# Altium PCB PLC-无线通讯版-V3.PcbDoc
Units mm, origin at the board's own origin, x right, y up, seen from the top; angles counter-clockwise.
Board outline 115 x 76.8 mm, 2 copper layers (Top Layer, Bottom Layer), stack 1.261 mm thick; 156 components, 116 nets, 485 pads, 271 vias.
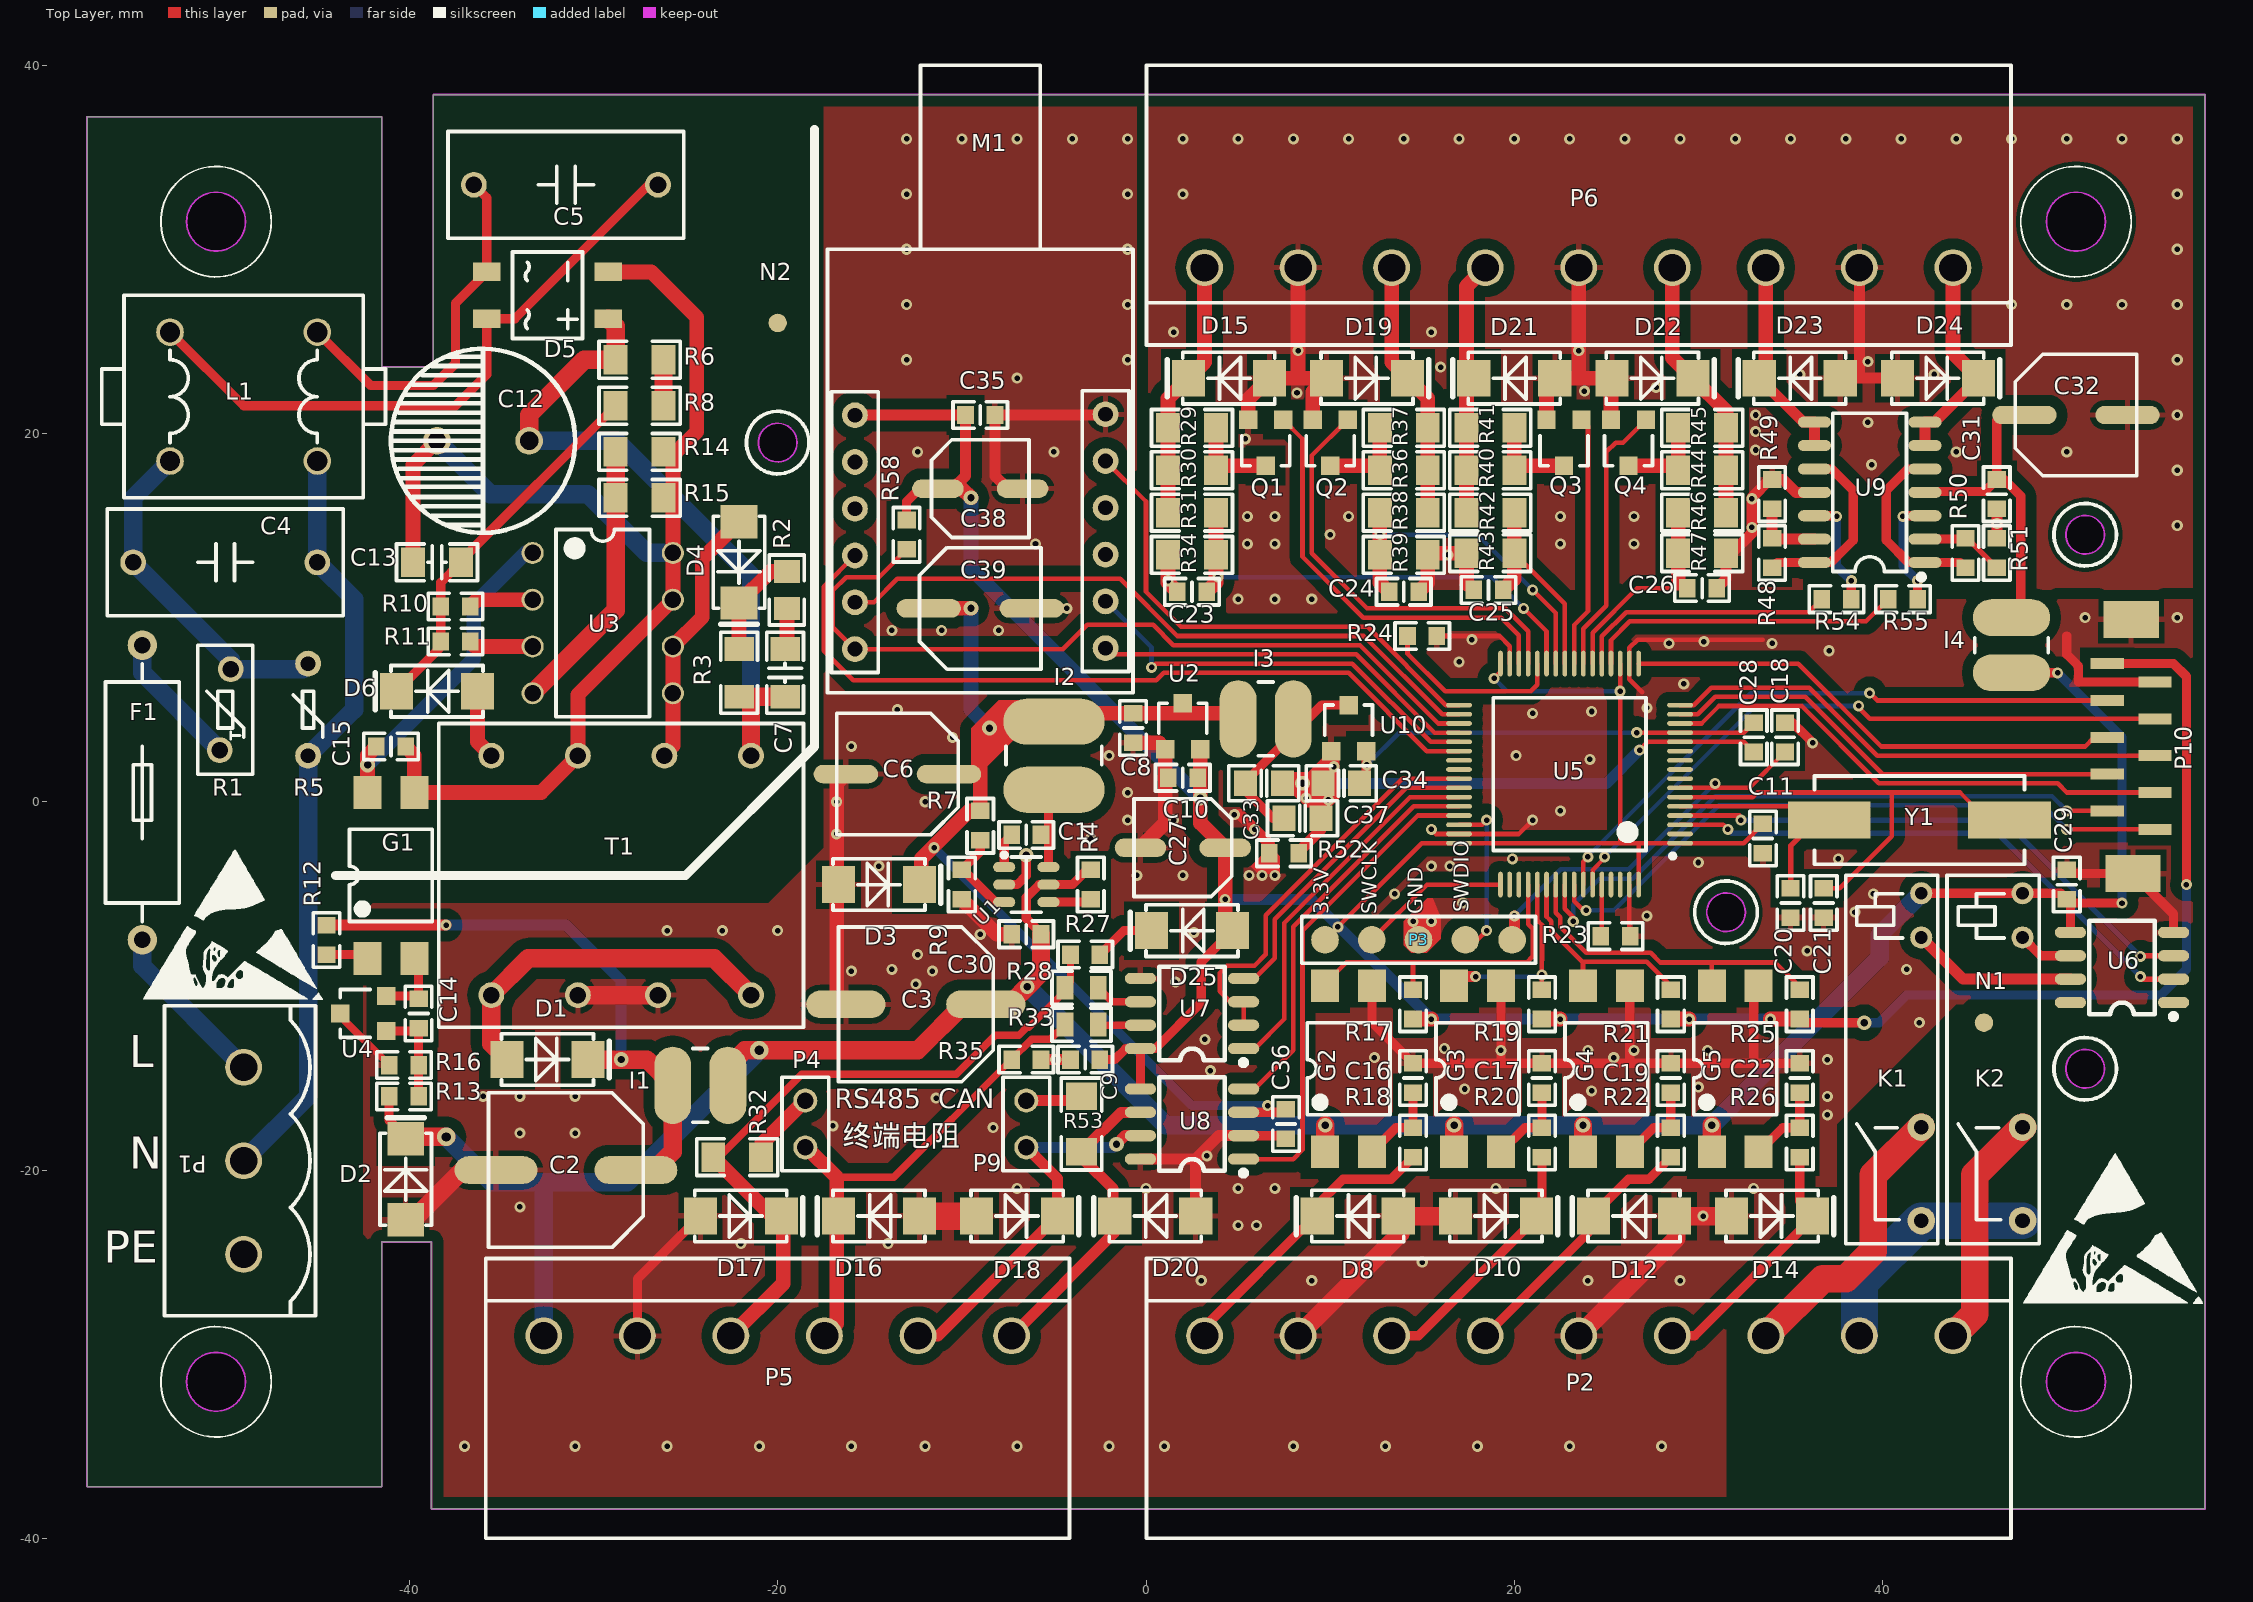
[diagram p0: Top Layer view]
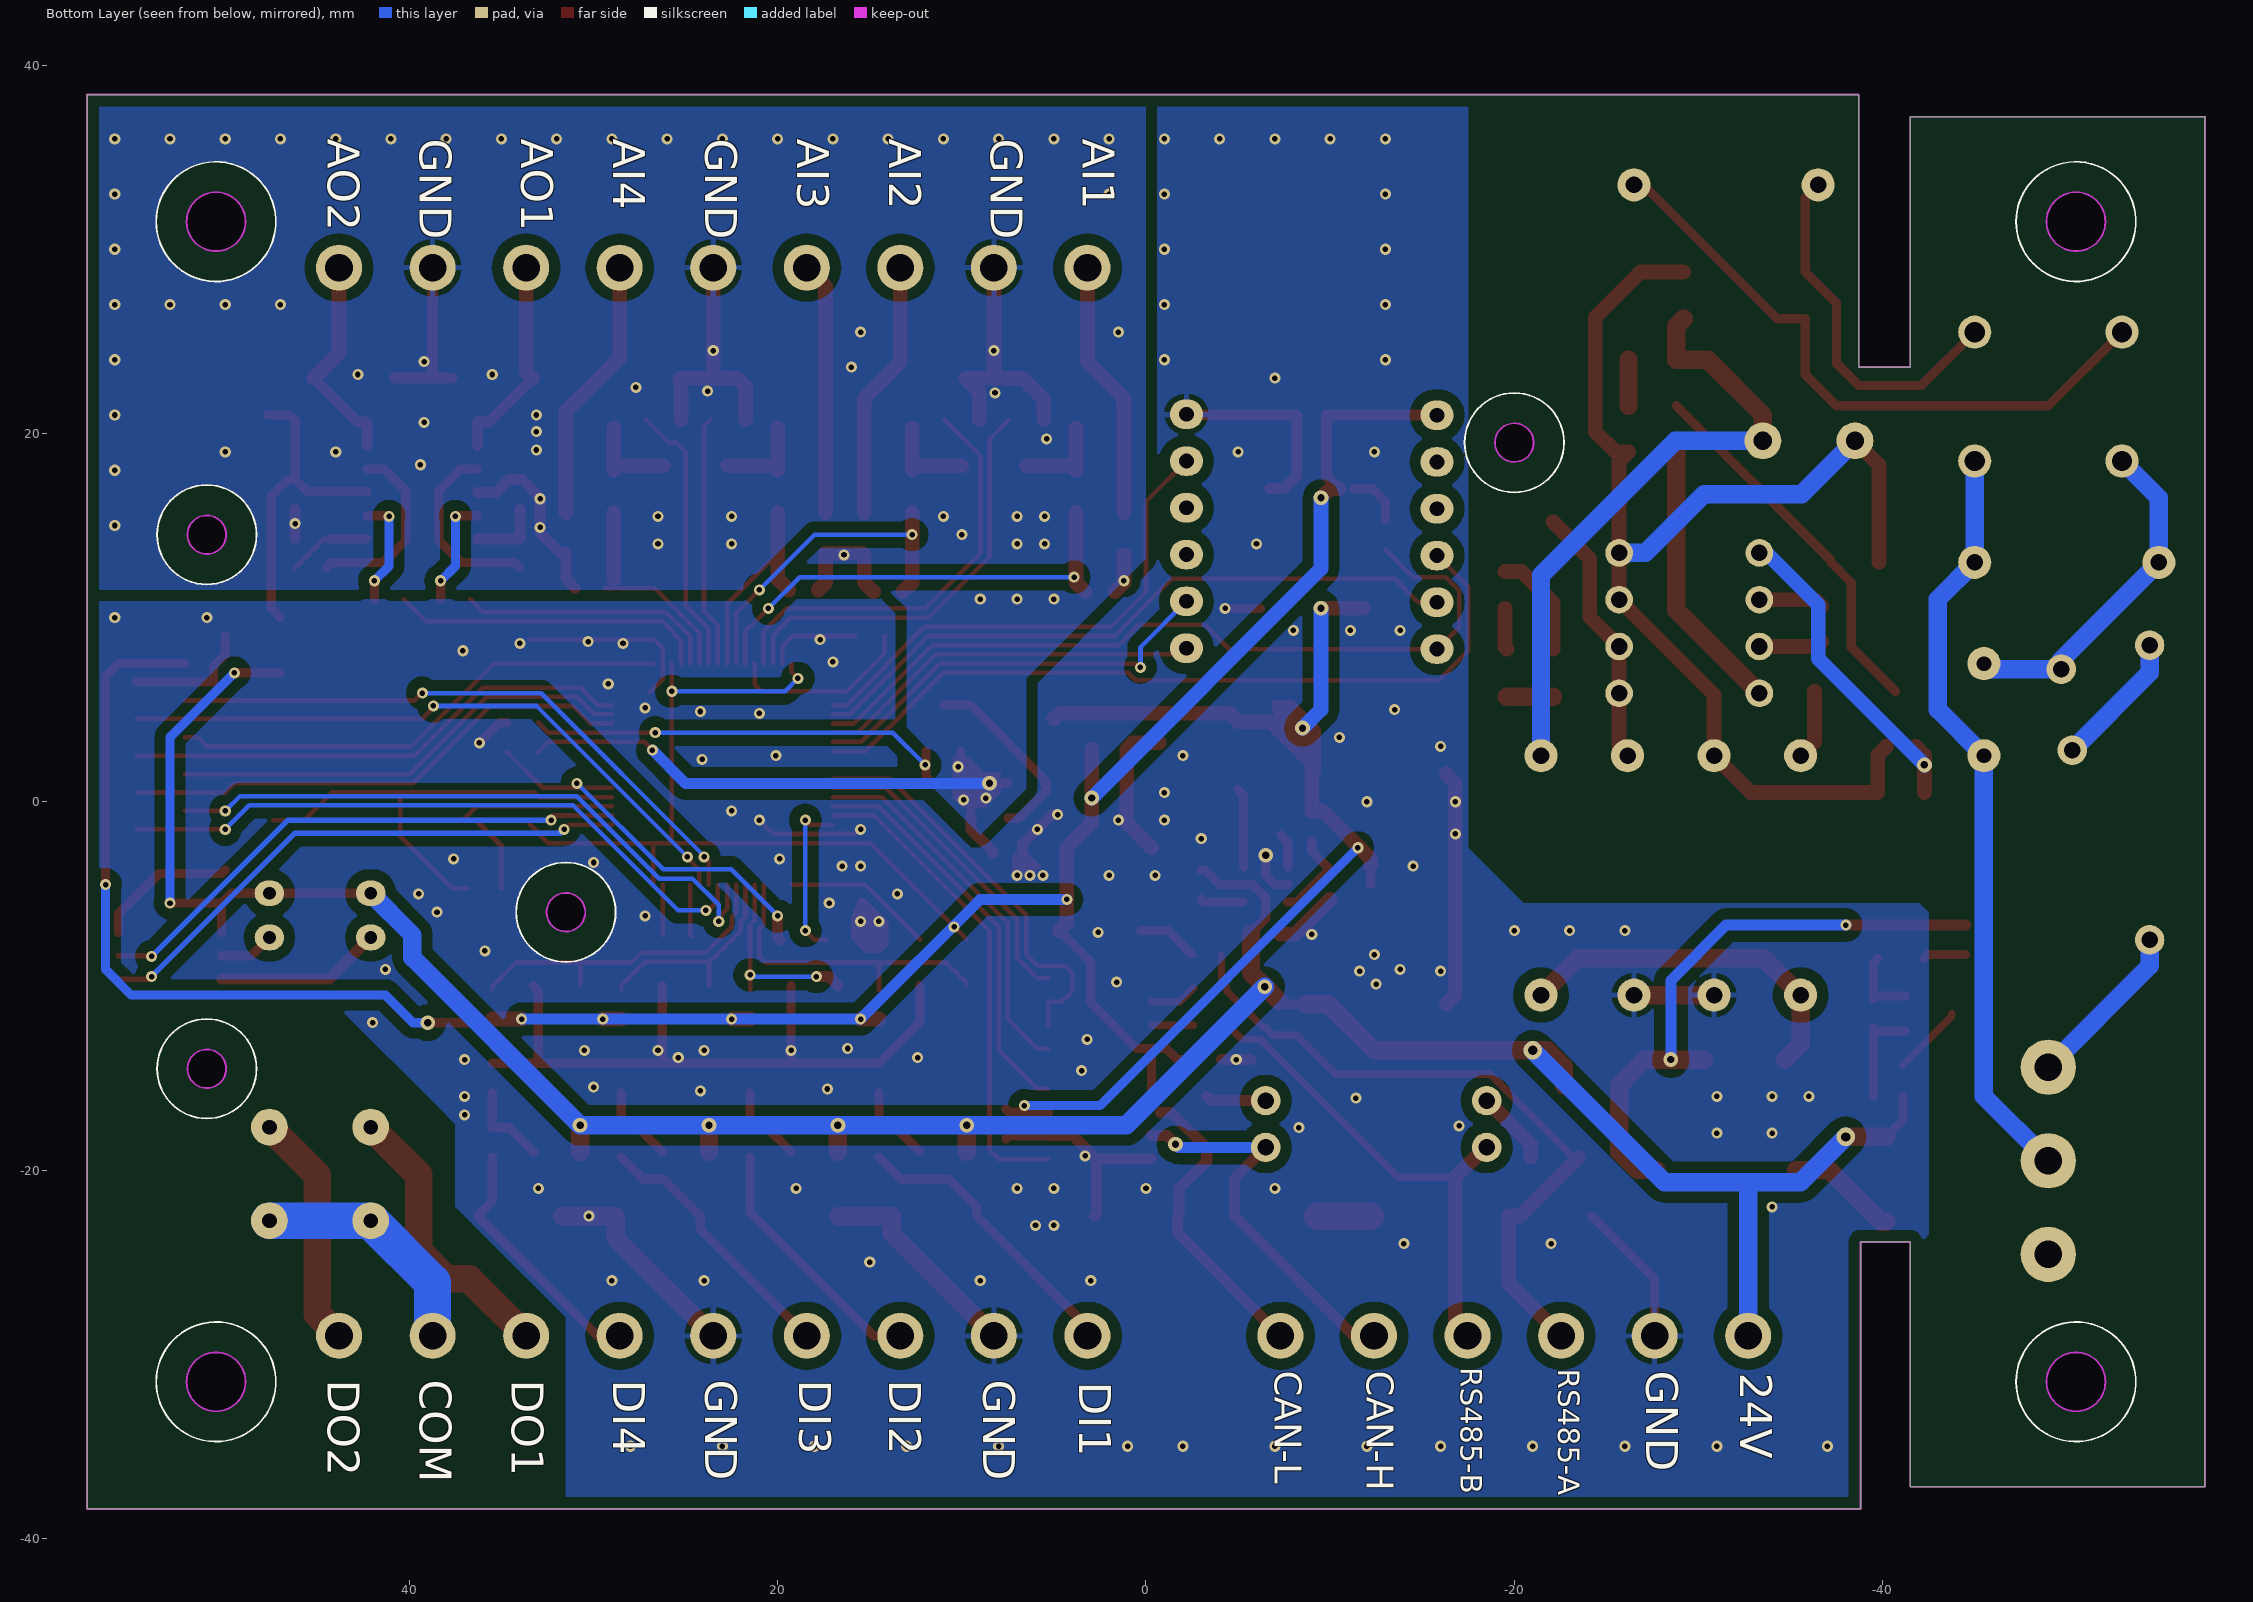
[diagram p1: Bottom Layer view, seen from below]

## Layer stack, top to bottom
Top Solder: solder mask 0.0102, Solder Resist, Dk 3.5
Top Layer: signal copper 0.0356
Dielectric1: dielectric 1.19, FR-4, Dk 4.8
Bottom Layer: signal copper 0.0356
Bottom Solder: solder mask 0.0102, Solder Resist, Dk 3.5

## Board outline
-57.5,-37.2 -57.5,37.2 -41.5,37.2 -41.5,23.6 -38.7,23.6 -38.7,38.4 57.5,38.4 57.5,-38.4 -38.8,-38.4 -38.8,-23.9 -41.5,-23.9 -41.5,-37.2
cut-out: 50.5,29.9 cw(c50.5,31.5) 48.9,31.5 cw(c50.5,31.5) 50.5,33.1 cw(c50.5,31.5) 52.1,31.5 cw(c50.5,31.5)
cut-out: 50.5,-33.1 cw(c50.5,-31.5) 48.9,-31.5 cw(c50.5,-31.5) 50.5,-29.9 cw(c50.5,-31.5) 52.1,-31.5 cw(c50.5,-31.5)
cut-out: -50.5,-33.1 cw(c-50.5,-31.5) -52.1,-31.5 cw(c-50.5,-31.5) -50.5,-29.9 cw(c-50.5,-31.5) -48.9,-31.5 cw(c-50.5,-31.5)
cut-out: -50.5,29.9 cw(c-50.5,31.5) -52.1,31.5 cw(c-50.5,31.5) -50.5,33.1 cw(c-50.5,31.5) -48.9,31.5 cw(c-50.5,31.5)
cut-out: -20,20.55 ccw(c-20,19.5) -21.05,19.5 ccw(c-20,19.5) -20,18.45 ccw(c-20,19.5) -18.95,19.5 ccw(c-20,19.5)
cut-out: 31.5,-4.95 ccw(c31.5,-6) 30.45,-6 ccw(c31.5,-6) 31.5,-7.05 ccw(c31.5,-6) 32.55,-6 ccw(c31.5,-6)
cut-out: 51,-13.45 ccw(c51,-14.5) 49.95,-14.5 ccw(c51,-14.5) 51,-15.55 ccw(c51,-14.5) 52.05,-14.5 ccw(c51,-14.5)
cut-out: 51,15.55 ccw(c51,14.5) 49.95,14.5 ccw(c51,14.5) 51,13.45 ccw(c51,14.5) 52.05,14.5 ccw(c51,14.5)

## Design rules (kind name [scope] priority, off if disabled: settings)
Clearance Clearance敷铜间隔 [InPolygon] p1: gap=0.6
Clearance Clearance通用间隔 [All] p2: gap=0.25
PlaneConnect [All] p1: planeconnectstyle=Relief reliefexpansion=0.508 reliefentries=4 reliefconductorwidth=0.3 reliefairgap=0.3
PolygonConnect PolygonConnect_过孔 [All vs IsVia] p1: connectstyle=Direct reliefconductorwidth=0.254 reliefentries=4 polygonreliefangle="90 Angle" airgapwidth=0.254
PolygonConnect [All] p2: connectstyle=Relief reliefconductorwidth=0.3 reliefentries=4 polygonreliefangle="90 Angle" airgapwidth=0.3
RoomDefinition PLC-无线通讯版-V3 [InComponentClass('PLC-无线通讯版-V3')] p1: confinementstyle=ConfineIn formatcopy=TRUE lockcomponents=FALSE outline -247,-262 -196.2,-262 -196.2,-236.6 -247,-236.6
RoutingVias [All] p1: holewidth=0.5 width=1 viastyle="Through Hole" minholewidth=0.4 minwidth=0.8 maxholewidth=10 maxwidth=10
SolderMaskExpansion [All] p1: expansion=0.102
Width [All] p1: maxlimit=10 minlimit=0.25 preferedwidth=0.5
29 further rules are at their usual default settings.

## Components (designator, comment, footprint, x,y, rotation, side; value= is the part's Value field where it differs from the comment)
C1 "104" C-0603 -6.5,-1.8 r180 top
C2 "220UF/35V" 贴片固态电容8*10-M#1 -31.5,-20 r180 top
C3 "220UF/35V" 贴片固态电容8*10-M#2 -12.5,-11 r180 top
C4 "104/275V" "安规电容 脚距10" -50,13 r0 top
C5 "104/275V" "安规电容 脚距10" -31.5,33.5 r180 top
C6 "220UF/16V" 贴片固态电容6.3*7.7 -13.5,1.5 r180 top
C7 "102/1KV" C-1206-M -19.6,7 r270 top
C8 "104" C-0603 -0.7,4 r90 top
C9 "104" C-0603 -3.3,-14 r0 top
C10 "104" C-0603 2,1.3 r0 top
C11 "104" C-0603 33.5,-2 r90 top
C12 "15UF/400V" 电解电容10*20蓝色 -36,19.6 r270 top
C13 "475/50V" C-1206-M -38.5,13 r0 top
C14 "104" C-0603 -39.5,-11.5 r270 top
C15 "103" C-0603 -41,3 r180 top
C16 "104" C-0603 14.5,-15 r270 top
C17 "104" C-0603 21.5,-15 r270 top
C18 "104" C-0603 34.7,3.5 r270 top
C19 "104" C-0603 28.5,-15 r270 top
C20 "20P" C-0603 35,-5.5 r90 top
C21 "20P" C-0603 36.8,-5.5 r90 top
C22 "104" C-0603 35.5,-15 r270 top
C23 "103" C-0603 2.5,11.4 r0 top
C24 "103" C-0603 14,11.4 r180 top
C25 "103" C-0603 18.6,11.5 r0 top
C26 "103" C-0603 30.2,11.6 r180 top
C27 "100UF/10V" 贴片固态电容5*5.3 2,-2.5 r180 top
C28 "104" C-0603 33,3.5 r90 top
C29 "104" C-0603 50,-4.5 r270 top
C30 "104" C-0603 -6.5,-7.2 r0 top
C31 "104" C-0603 46.2,16.7 r90 top
C32 "47UF/35V" 贴片固态电容6.3*5.3-M 50.5,21 r0 top
C33 "226" C-0805 6.4,1 r180 top
C34 "226" C-0805 10.6,1 r0 top
C35 "104" C-0603 -9,21 r180 top
C36 "104" C-0603 7.6,-17.5 r90 top
C37 "226" C-0805 8.5,-0.9 r180 top
C38 "100UF/10V" 贴片固态电容5*5.3 -9,17 r0 top
C39 "220UF/16V" 贴片固态电容6.3*7.7 -9,10.5 r0 top
D1 "SS110" SMA -32.5,-14 r180 top
D2 "SMAJ24A" SMA -40.2,-20.5 r270 top
D3 "SMAJ5.0A" SMA -14.5,-4.5 r180 top
D4 "RS1M" SMA -22.1,13 r90 top
D5 "MB6S" SOIC-4-MBS -32.5,27.5 r0 top
D6 "RS1M" SMA -38.5,6 r0 top
D8 "SMAJ24A" SMA 11.5,-22.5 r0 top
D10 "SMAJ24A" SMA 19,-22.5 r180 top
D12 "SMAJ24A" SMA 26.5,-22.5 r0 top
D14 "SMAJ24A" SMA 34,-22.5 r180 top
D15 "SMAJ10A" SMA 4.5,23 r0 top
D16 "SMAJ5.0A" SMA -14.5,-22.5 r0 top
D17 "SMAJ5.0A" SMA -22,-22.5 r180 top
D18 "SMAJ5.0A" SMA -7,-22.5 r180 top
D19 "SMAJ10A" SMA 12,23 r180 top
D20 "SMAJ5.0A" SMA 0.5,-22.5 r0 top
D21 "SMAJ10A" SMA 20,23 r0 top
D22 "SMAJ10A" SMA 27.5,23 r180 top
D23 "SMAJ10A" SMA 35.5,23 r0 top
D24 "SMAJ10A" SMA 43,23 r180 top
D25 "SS12" SMA 2.5,-7 r0 top
F1 "250V/F0.2A" FUSE-3*10带引线 -54.5,0.5 r90 top
G1 "EL817" SOP-4-L -41,-4 r0 top
G2 "EL817" SOP-4-L 11,-14.5 r0 top
G3 "EL817" SOP-4-L 18,-14.5 r0 top
G4 "EL817" SOP-4-L 25,-14.5 r0 top
G5 "EL817" SOP-4-L 32,-14.5 r0 top
I1 "10UH" CD43-N -24.2,-15.4 r0 top
I2 "10UH" CD54 -5,2.5 r90 top
I3 "10UH" CD43-N 6.5,4.5 r180 top
I4 "10UH" CD43-N 47,8.5 r90 top
K1 "HF49FD-D24-1H11" HF49FD-D24-1H11#1 40.5,-14 r270 top
K2 "HF49FD-D24-1H11" HF49FD-D24-1H11#2 46,-14 r270 top
L1 "15mH" UU9.8 -49,22 r90 top
M1 "E10-433MD-SMA" E10-433MD-SMA -9,30 r0 top locked
N1 "光学定位点" MARK-1mm-3mm 45.5,-12 r0 top
N2 "光学定位点" MARK-1mm-3mm -20,26 r0 top
P1 "AC220V-IN" KF2EDGVC-5.08-3P -49,-19.5 r270 top
P2 "D" 2EMGKG-5.08-9P 23.5,-29 r0 top locked
P3 "ST-LINK" 5P下载口 14.8,-7.5 r0 top
P4 "终端电阻接入" HDR1X2 -18.5,-17.5 r270 top
P5 "" 2EMGKG-5.08-6P -20,-29 r0 top locked
P6 "A" 2EMGKG-5.08-9P 23.5,29 r180 top locked
P9 "终端电阻接入" HDR1X2 -6.5,-17.5 r90 top
P10 "" FPC-1.0MM立贴错位_10P 53.5,3 r270 top
Q1 "AO3400" SOT-23 6.5,19.5 r90 top
Q2 "AO3400" SOT-23 10,19.5 r90 top
Q3 "AO3400" SOT-23 22.7,19.5 r90 top
Q4 "AO3400" SOT-23 26.2,19.5 r90 top
R1 "NTC5D-7" NTC-5D-7 -50,5 r90 top
R2 "10" R-0805 -19.5,11.5 r90 top
R3 "180K" R-1206-M -22.1,7 r270 top
R4 "100K" R-0603 -3,-4.5 r270 top
R5 "07D471K" MOV-07D -45.5,5 r90 top
R6 "750K" R-1206-M -27.5,24 r0 top
R7 "11K-1%" R-0603 -9,-1.3 r270 top
R8 "750K" R-1206-M -27.5,21.5 r180 top
R9 "2.1K-1%" R-0603 -10,-4.5 r270 top
R10 "1K" R-0603 -37.5,10.6 r180 top
R11 "10" R-0603 -37.5,8.7 r180 top
R12 "1K" R-0603 -44.5,-7.5 r90 top
R13 "8.6k-1%" R-0603 -40.3,-16 r180 top
R14 "3" R-1206-M -27.5,19 r180 top
R15 "3" R-1206-M -27.5,16.5 r180 top
R16 "1K-1%" R-0603 -40.3,-14.3 r0 top
R17 "10K" R-0603 14.5,-11 r270 top
R18 "6.8K" R-0603 14.5,-18.5 r90 top
R19 "10K" R-0603 21.5,-11 r270 top
R20 "6.8K" R-0603 21.5,-18.5 r90 top
R21 "10K" R-0603 28.5,-11 r270 top
R22 "6.8K" R-0603 28.5,-18.5 r90 top
R23 "10K" R-0603 25.5,-7.3 r0 top
R24 "10K" R-0603 15,9 r0 top
R25 "10K" R-0603 35.5,-11 r270 top
R26 "6.8K" R-0603 35.5,-18.5 r90 top
R27 "1K" R-0603 -3.3,-8.3 r180 top
R28 "10" R-0805-M -3.5,-10.1 r0 top
R29 "1K" R-1206-M 2.5,20.3 r180 top
R30 "1K" R-1206-M 2.5,18 r180 top
R31 "100K" R-1206-M 2.5,15.7 r180 top
R32 "330" R-1206-M -22.2,-19.3 r0 top
R33 "10" R-0805-M -3.5,-12.1 r0 top
R34 "47K" R-1206-M 2.5,13.4 r0 top
R35 "1K" R-0603 -6.5,-14 r180 top
R36 "1K" R-1206-M 14,18 r0 top
R37 "1K" R-1206-M 14,20.3 r0 top
R38 "100K" R-1206-M 14,15.7 r0 top
R39 "47K" R-1206-M 14,13.4 r180 top
R40 "1K" R-1206-M 18.7,18 r180 top
R41 "1K" R-1206-M 18.7,20.3 r180 top
R42 "100K" R-1206-M 18.7,15.7 r180 top
R43 "47K" R-1206-M 18.7,13.5 r0 top
R44 "1K" R-1206-M 30.2,18 r0 top
R45 "1K" R-1206-M 30.2,20.3 r0 top
R46 "100K" R-1206-M 30.2,15.7 r0 top
R47 "47K" R-1206-M 30.2,13.5 r180 top
R48 "22K-1%" R-0603 34,13.5 r270 top
R49 "10K-1%" R-0603 34,16.7 r90 top
R50 "22K-1%" R-0603 44.5,13.5 r270 top
R51 "10K-1%" R-0603 46.2,13.5 r90 top
R52 "0" R-0603 7.5,-2.8 r0 top
R53 "120" R-1206 -3.5,-17.5 r270 top
R54 "10K-1%" R-0603 37.5,11 r180 top
R55 "10K-1%" R-0603 41.1,11 r180 top
R58 "10K" R-0603 -13,14.5 r90 top
T1 "T-2-2_1" EE19-卧式 -28.5,-4 r180 top locked
U1 "BL9341" SOT-23-6-N -6.5,-4.5 r180 top
U2 "ME6206A33M3G" SOT-23 2,4.1 r270 top
U3 "OB2338AP" DIP8 -29.5,9.7 r270 top
U4 "TL431" SOT-23 -42.5,-11.5 r0 top
U5 "GD32F103RCT6" LQFP64-M 23,1.5 r180 top locked
U6 "ULN2001D" SOP-8-N 53,-9 r90 top
U7 "TP8485E-SR" SOP-8-N 2.5,-11.5 r90 top
U8 "TJA1051T/3" SOP-8-N 2.5,-17.5 r90 top
U9 "TP2274-SR" SOP-14-M 39.3,16.8 r90 top
U10 "ME6206A33M3G" SOT-23 11,4 r270 top
Y1 "8M" HC-49SMD 42,-1 r180 top

## Footprints (in the part's own frame and the unit in brackets; to place one, negate y for a bottom-side part, rotate by r counter-clockwise, add the part's x,y. Pads: shape width x height; smd on the part's side, far side on the other; paste and mask are expansions set on the pad)
2EMGKG-5.08-6P [mm]
  round 2 / inner round 2 / far side round 2.5 hole 1.5: 1(-12.7,0) 2(-7.62,0) 3(-2.54,0) 4(2.54,0) 5(7.62,0) 6(12.7,0)
  silkscreen extent -15.85,-11 15.85,4.2, body extent -15.85,-11 15.88,4.2, height 13.6
2EMGKG-5.08-9P [mm]
  round 2 / inner round 2 / far side round 2.5 hole 1.5: 1(-20.32,0) 2(-15.24,0) 3(-10.16,0) 4(-5.08,0) 5(0,0) 6(5.08,0) 7(10.16,0) 8(15.24,0) 9(20.32,0)
  silkscreen extent -23.47,-11 23.47,4.2, body extent -23.47,-11 23.47,4.2, height 13.6
5P下载口 [mm]
  round 1.5 smd paste-1: 1(-5.08,0) 2(-2.54,0) 3(0,0) 4(2.54,0) 5(5.08,0)
  silkscreen extent -6.35,-1.27 6.35,1.27
C-0603 [mm]
  rect 0.9x1 smd: 1(-0.8,0) 2(0.8,0)
  silkscreen extent -1.48,-0.72 1.48,0.72, body extent -0.8,-0.4 0.8,0.4, height 0.6
C-0805 [mm]
  rect 1.25x1.4 smd: 1(-1,0) 2(1,0)
  silkscreen extent -1.9,-0.95 1.9,0.95, body extent -1,-0.6 1,0.6, height 0.95
C-1206-M [mm]
  rect 1.3x1.6 smd: 1(-1.3,0) 2(1.3,0)
  silkscreen extent -2.2,-1 2.2,1, body extent -1.6,-0.8 1.6,0.8, height 0.95
CD43-N [mm]
  oval 2x4.2 smd: 1(-1.5,0) 2(1.5,0)
  silkscreen extent -0.4,-2 0.4,2, body extent -2.2,-2 2.2,2, height 3.26
CD54 [mm]
  oval 2.5x5.5 smd: 1(-1.85,0) 2(1.85,0)
  silkscreen extent -0.5,-2.6 0.5,2.6, body extent -2.75,-2.6 2.75,2.6, height 4.6
DIP8 [mm]
  round 1.2 / inner round 1.5 / far side round 1.5 hole 0.9: 1(-3.81,-3.81) 2(-1.27,-3.81) 3(1.27,-3.81) 4(3.81,-3.81) 5(3.81,3.81) 6(1.27,3.81) 7(-1.27,3.81) 8(-3.81,3.81)
  silkscreen extent -5.08,-2.54 5.08,2.54, body extent -5.4,-3.88 5.4,3.88, height 4.5
E10-433MD-SMA [mm]
  round 1.4 / inner round 1.4 / far side oval 1.8x1.6 hole 0.8: 1(6.805,-8.96) 2(6.805,-11.5) 3(6.805,-14.04) 4(6.805,-16.58) 5(6.805,-19.12) 6(6.805,-21.66) 7(-6.805,-21.71) 8(-6.805,-19.17) 9(-6.805,-16.63) 10(-6.805,-14.09) 11(-6.805,-11.55) 12(-6.805,-9.01)
  silkscreen extent -8.29,-24.08 8.29,10
EE19-卧式 [mm]
  round 1.4 / inner round 1.4 / far side round 1.8 hole 0.9: 1(-7.05,-6.5) 2(-2.35,-6.5) 3(2.35,-6.5) 4(7.05,-6.5) 5(7.05,6.5) 6(2.35,6.5) 7(-2,6.5) 8(-7.05,6.5)
  silkscreen extent -9.9,-8.25 9.9,8.25, body extent -10,-9.25 10,9.25, height 16.6
FPC-1.0MM立贴错位_10P [mm]
  rect 0.6x1.8 smd: 1(-4.5,-1.3) 2(-3.5,1.3) 3(-2.5,-1.3) 4(-1.5,1.3) 5(-0.5,-1.3) 6(0.5,1.3) 7(1.5,-1.3) 8(2.5,1.3) 9(3.5,-1.3) 10(4.5,1.3)
  rect 2x3 smd: 11(-6.9,0) 12(6.9,0.1)
FUSE-3*10带引线 [mm]
  round 1.6 hole 0.9: 1(-8,0) 2(8,0)
  silkscreen extent -7,-2 7,2, body extent -7.75,-1.9 7.75,1.9, height 4.1
HC-49SMD [mm]
  rect 4.5x2 smd: 1(-4.9,0) 2(4.9,0)
  silkscreen extent -5.7,-2.4 5.7,2.4, body extent -6.7,-2.46 6.7,2.44, height 4
HDR1X2 [mm] "Connector; Header; 2 Position"
  round 1.3 / inner round 1.6 / far side round 1.6 hole 0.9: 1(-1.27,0) 2(1.27,0)
  silkscreen extent -2.54,-1.27 2.54,1.27, body extent -2.54,-1.27 2.54,1.27, height 10.12
HF49FD-D24-1H11#1 [mm]
  round 1.2 / inner oval 1.4x1.6 / far side oval 1.4x1.6 hole 0.7: 1(-9.03,1.6) 2(-6.63,1.6)
  round 1.5 / inner round 2 / far side round 2 hole 0.8: 3(3.67,1.6) 4(8.75,1.6)
  silkscreen extent -10,-2.5 10,2.5, body extent -10,-2.5 10,2.5, height 12.7
HF49FD-D24-1H11#2 [mm]
  round 1.2 / inner oval 1.4x1.6 / far side oval 1.4x1.6 hole 0.7: 1(-9.03,1.6)
  round 1.2 / inner oval 1.4x1.6 / far side oval 1.4x1.6 hole 0.7 paste+0: 2(-6.63,1.6)
  round 1.5 / inner round 2 / far side round 2 hole 0.8: 3(3.67,1.6) 4(8.75,1.6)
  silkscreen extent -10,-2.5 10,2.5, body extent -10,-2.5 10,2.5, height 12.7
KF2EDGVC-5.08-3P [mm]
  round 2 / inner round 3 / far side round 3 hole 1.5: 1(-5.08,0) 2(0,0) 3(5.08,0)
  silkscreen extent -8.42,-4.3 8.42,3.9, body extent -8.2,-4.7 8.2,3.8, height 12.01
LQFP64-M [mm]
  oval 1.4x0.25 smd: 1(-6,3.75) 2(-6,3.25) 3(-6,2.75) 4(-6,2.25) 5(-6,1.75) 6(-6,1.25) 7(-6,0.75) 8(-6,0.25) 9(-6,-0.25) 10(-6,-0.75) 11(-6,-1.25) 12(-6,-1.75) 13(-6,-2.25) 14(-6,-2.75) 15(-6,-3.25) 16(-6,-3.75) 33(6,-3.75) 34(6,-3.25) 35(6,-2.75) 36(6,-2.25) 37(6,-1.75) 38(6,-1.25) 39(6,-0.75) 40(6,-0.25) 41(6,0.25) 42(6,0.75) 43(6,1.25) 44(6,1.75) 45(6,2.25) 46(6,2.75) 47(6,3.25) 48(6,3.75)
  oval 0.25x1.4 smd: 17(-3.75,-6) 18(-3.25,-6) 19(-2.75,-6) 20(-2.25,-6) 21(-1.75,-6) 22(-1.25,-6) 23(-0.75,-6) 24(-0.25,-6) 25(0.25,-6) 26(0.75,-6) 27(1.25,-6) 28(1.75,-6) 29(2.25,-6) 30(2.75,-6) 31(3.25,-6) 32(3.75,-6) 49(3.75,6) 50(3.25,6) 51(2.75,6) 52(2.25,6) 53(1.75,6) 54(1.25,6) 55(0.75,6) 56(0.25,6) 57(-0.25,6) 58(-0.75,6) 59(-1.25,6) 60(-1.75,6) 61(-2.25,6) 62(-2.75,6) 63(-3.25,6) 64(-3.75,6)
  silkscreen extent -5.72,-4.15 4.15,4.57, body extent -6.01,-6.01 6.01,6.01, height 1.15
MARK-1mm-3mm [mm]
  round 1 smd paste-0.6 mask+1: 1(0,0)
  Top Layer pour cut-out: -1.5,0 -1.386,-0.574 -1.061,-1.061 -0.574,-1.386 0,-1.5 0,-1.5 0.574,-1.386 1.061,-1.061 1.386,-0.574 1.5,0 1.5,0 1.386,0.574 1.061,1.061 0.574,1.386 0,1.5 0,1.5 -0.574,1.386 -1.061,1.061 -1.386,0.574 -1.5,0
MOV-07D [mm]
  round 1.4 / inner round 1.4 / far side round 1.8 hole 0.8: 1(-2.5,0) 2(2.5,0)
  silkscreen extent -1.5,-0.8 1,0.8, body extent -4,-1.26 4,1.25, height 11
NTC-5D-7 [mm]
  round 1.4 / inner round 1.4 / far side round 1.6 hole 0.9: 1(-2.2,0.3) 2(2.2,-0.3)
  silkscreen extent -3.5,-1.5 3.5,1.5, body extent -4.25,-3 4.25,3, height 18.25
R-0603 [mm]
  rect 0.9x1 smd: 1(-0.8,0) 2(0.8,0)
  silkscreen extent -1.48,-0.72 1.48,0.72, body extent -0.8,-0.4 0.8,0.4, height 0.45
R-0805 [mm]
  rect 1.25x1.4 smd: 1(-1,0) 2(1,0)
  silkscreen extent -1.9,-0.95 1.9,0.95, body extent -1,-0.63 1,0.63, height 0.55
R-0805-M [mm]
  rect 0.9x1.3 smd: 1(-0.9,0) 2(0.9,0)
  silkscreen extent -1.6,-0.9 1.6,0.9, body extent -1,-0.6 1,0.6, height 0.5
R-1206 [mm]
  rect 1.5x1.7 smd: 1(-1.5,0) 2(1.5,0)
  silkscreen extent -2.5,-1.1 2.5,1.1, body extent -1.6,-0.8 1.6,0.8, height 0.6
R-1206-M [mm]
  rect 1.3x1.6 smd: 1(-1.3,0) 2(1.3,0)
  silkscreen extent -2.2,-1 2.2,1, body extent -1.6,-0.8 1.6,0.8, height 0.6
SMA [mm]
  rect 1.8x2 smd: 1(2.2,0) 2(-2.2,0)
  silkscreen extent -3.35,-1.4 2.5,1.4, body extent -2.75,-1.4 2.75,1.4, height 2.6
SOIC-4-MBS [mm] "整流桥堆 MB05S-MB10S"
  rect 1.5x1 smd: 1(-3.3,1.27) 2(-3.3,-1.27) 3(3.3,-1.27) 4(3.3,1.27)
  silkscreen extent -1.9,-2.35 1.9,2.35, body extent -3.5,-1.8 3.5,1.8, height 2.6
SOP-4-L [mm] "EL817S"
  rect 1.52x1.78 smd: 1(-1.27,-4.507) 2(1.27,-4.507) 3(1.27,4.507) 4(-1.27,4.507)
  silkscreen extent -2.25,-2.5 2.25,2.5, body extent -2.3,-5.08 2.3,5.08, height 3.75
SOP-8-N [mm]
  oval 0.61x1.7 smd: 1(-1.905,-2.8) 2(-0.635,-2.8) 3(0.635,-2.8) 4(1.905,-2.8) 5(1.905,2.8) 6(0.635,2.8) 7(-0.635,2.8) 8(-1.905,2.8)
  silkscreen extent -2.82,-2.94 2.54,1.78, body extent -2.45,-3 2.45,3, height 1.7
SOP-14-M [mm]
  oval 0.6x1.8 smd: 1(-3.81,-3) 2(-2.54,-3) 3(-1.27,-3) 4(0,-3) 5(1.27,-3) 6(2.54,-3) 7(3.81,-3) 8(3.81,3) 9(2.54,3) 10(1.27,3) 11(0,3) 12(-1.27,3) 13(-2.54,3) 14(-3.81,3)
  silkscreen extent -4.75,-2.95 4.3,2, body extent -4.35,-2.99 4.34,3, height 1.55
SOT-23 [mm]
  rect 1x1 smd: 1(1.25,-0.95) 2(1.25,0.95) 3(-1.25,0)
  silkscreen extent -1.25,-1.3 0.38,1.3, body extent -1.4,-1.45 1.4,1.45, height 1.2
SOT-23-6-N [mm]
  oval 1.2x0.55 smd: 1(1.2,-0.95) 2(1.2,0) 3(1.2,0.95) 4(-1.2,0.95) 5(-1.2,0) 6(-1.2,-0.95)
  silkscreen extent -0.8,-1.7 1.3,1.5, body extent -1.21,-1.4 1.21,1.4, height 1.08
UU9.8 [mm] "共模电感  7*8"
  round 1.5 / inner round 1.8 / far side round 1.8 hole 1.1: 1(-3.5,-4) 2(3.5,-4) 3(3.5,4) 4(-3.5,4)
  silkscreen extent -5.5,-7.7 5.5,7.7, body extent -5.5,-8 5.5,8, height 15.81
"安规电容 脚距10" [mm]
  round 1.4 / inner round 1.4 / far side round 1.8 hole 0.9: 1(-5,0) 2(5,0)
  silkscreen extent -6.4,-2.9 6.4,2.9, body extent -6.4,-2.9 6.4,2.9, height 12
电解电容10*20蓝色 [mm]
  round 1.5 / inner round 1.5 / far side round 2 hole 1: 1(0,2.5) 2(0,-2.5)
  silkscreen extent -5,-5 5,5, body extent -5.03,-5.03 5.03,5.03, height 20.53
贴片固态电容5*5.3 [mm]
  oval 2.8x1 smd: 1(-2.3,0) 2(2.3,0)
  silkscreen extent -2.65,-2.65 2.65,2.65, body extent -2.95,-2.65 2.95,2.65, height 5.42
贴片固态电容6.3*5.3-M [mm]
  oval 3.5x1 smd: 1(-2.8,0) 2(2.8,0)
  silkscreen extent -3.3,-3.3 3.3,3.3, body extent -3.5,-3.3 3.5,3.3, height 5.41
贴片固态电容6.3*7.7 [mm]
  oval 3.5x1 smd: 1(-2.8,0) 2(2.8,0)
  silkscreen extent -3.3,-3.3 3.3,3.3, body extent -3.5,-3.3 3.5,3.3, height 7.71
贴片固态电容8*10-M#1 [mm]
  oval 4.5x1.5 smd: 1(-3.8,0) 2(3.8,0)
  silkscreen extent -4.2,-4.2 4.2,4.2, body extent -4.95,-4.15 4.95,4.15, height 10.21
贴片固态电容8*10-M#2 [mm]
  oval 4.3x1.5 smd: 1(-3.8,0) 2(3.8,0)
  silkscreen extent -4.2,-4.2 4.2,4.2, body extent -4.95,-4.15 4.95,4.15, height 10.21
